# Altium PCB COOP4403_V2.PcbDoc
Units mm, origin at the board's own origin, x right, y up, seen from the top; angles counter-clockwise.
Board outline 69.29 x 53.3 mm, 4 copper layers (Top Layer, GND, POWER, Bottom Layer), stack 1.546 mm thick; 104 components, 83 nets, 364 pads, 113 vias.
Unrouted connection lines stored in the file: 1.
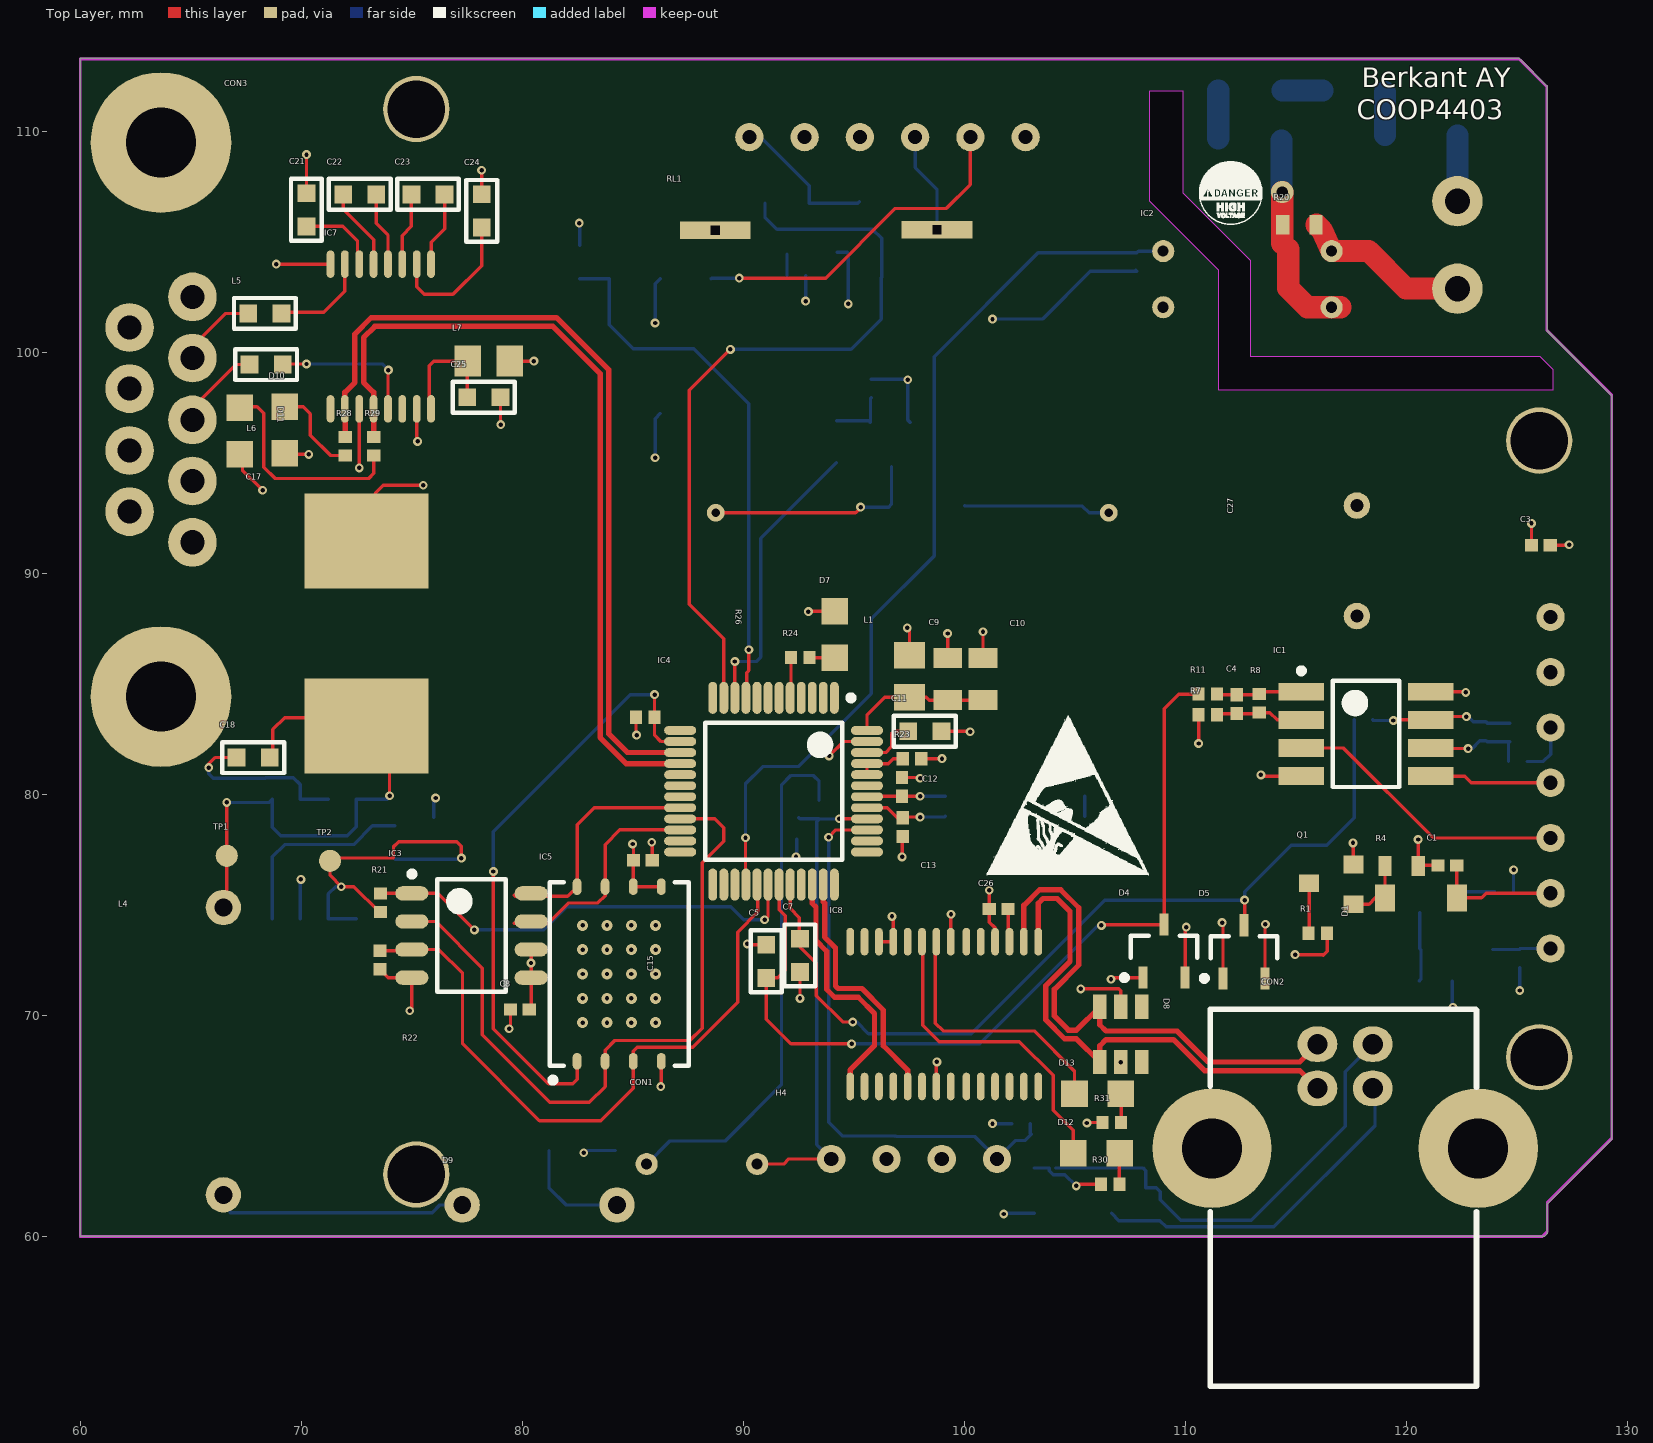
[diagram p0: Top Layer view]
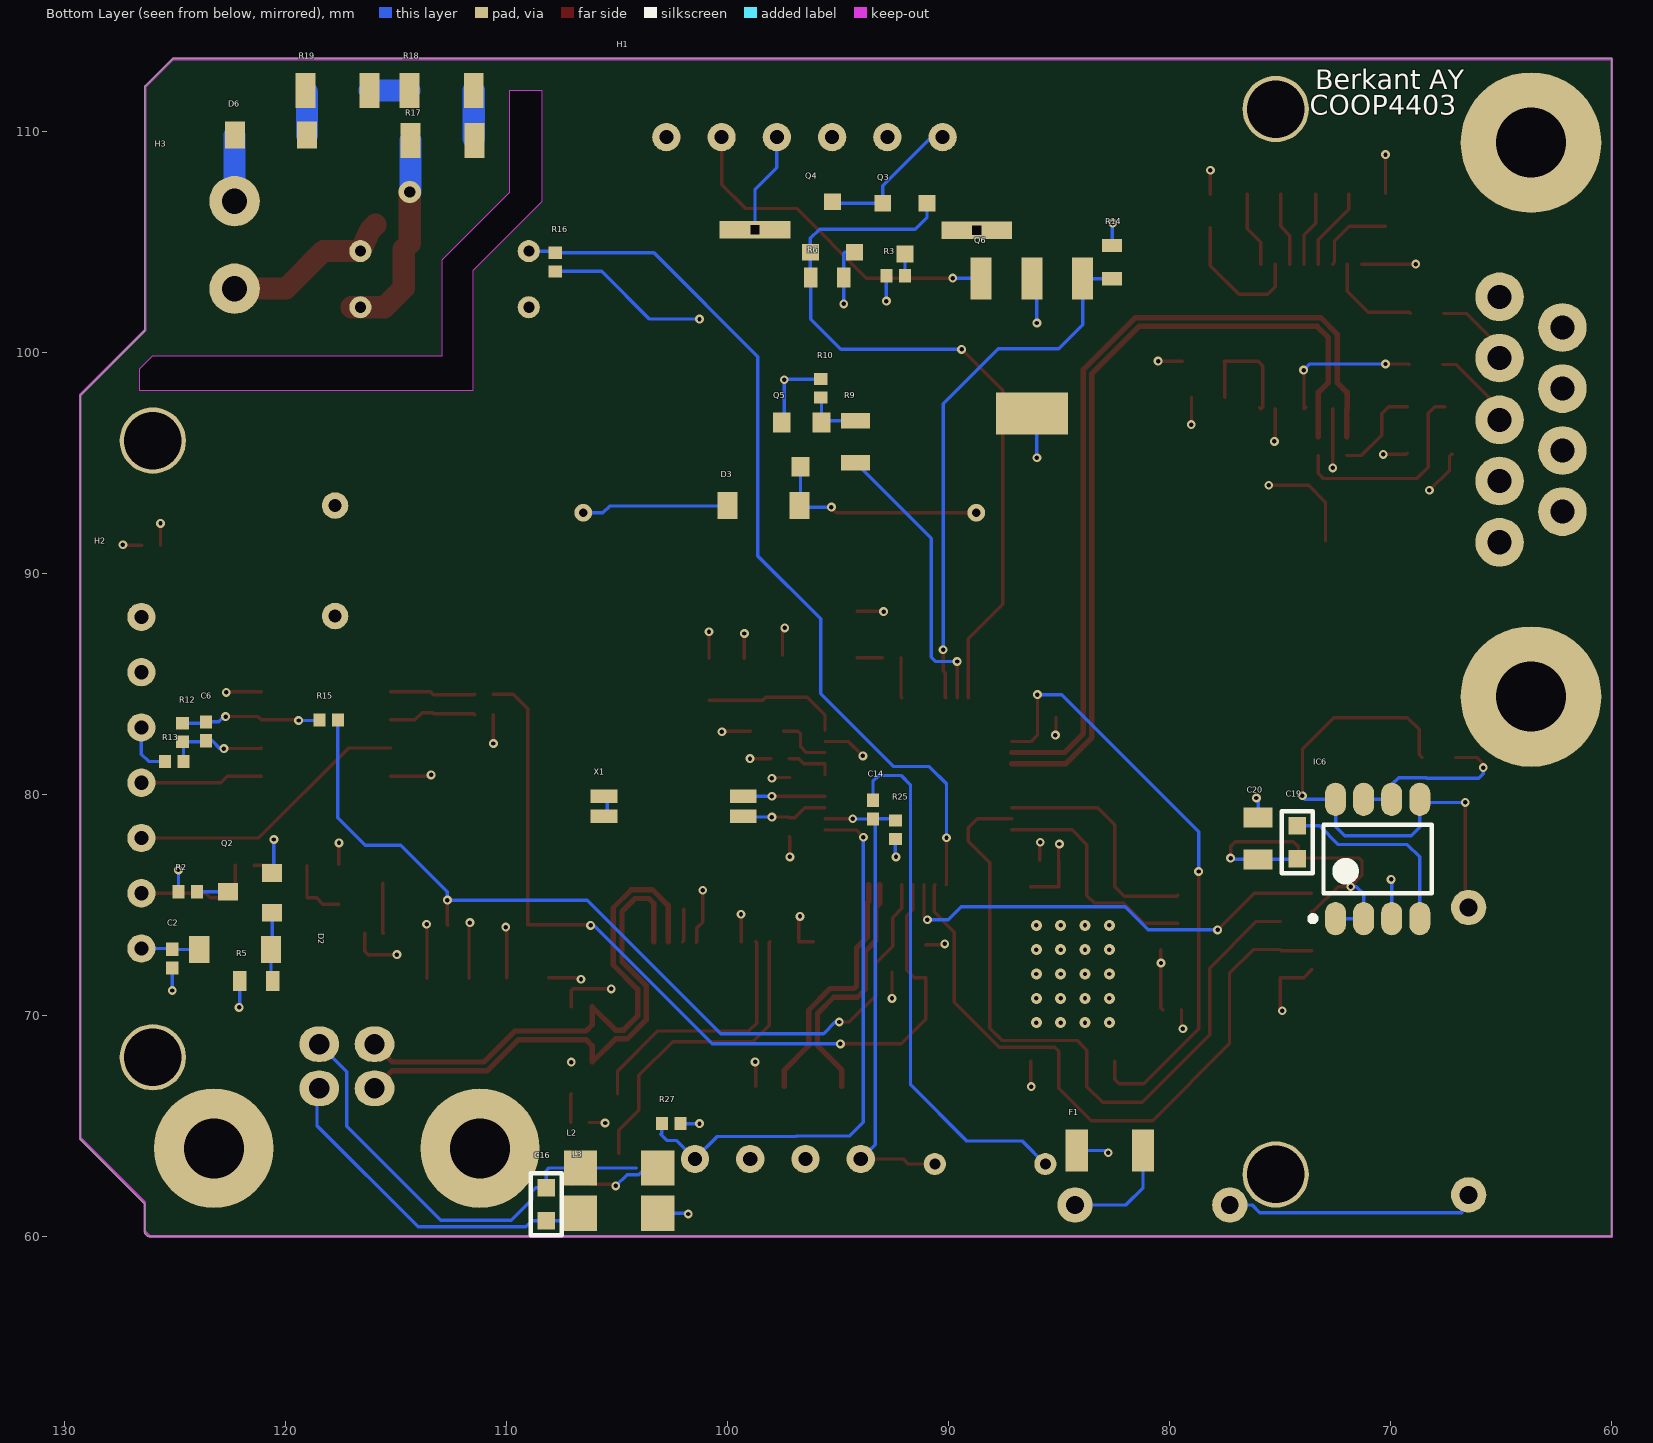
[diagram p1: Bottom Layer view, seen from below]
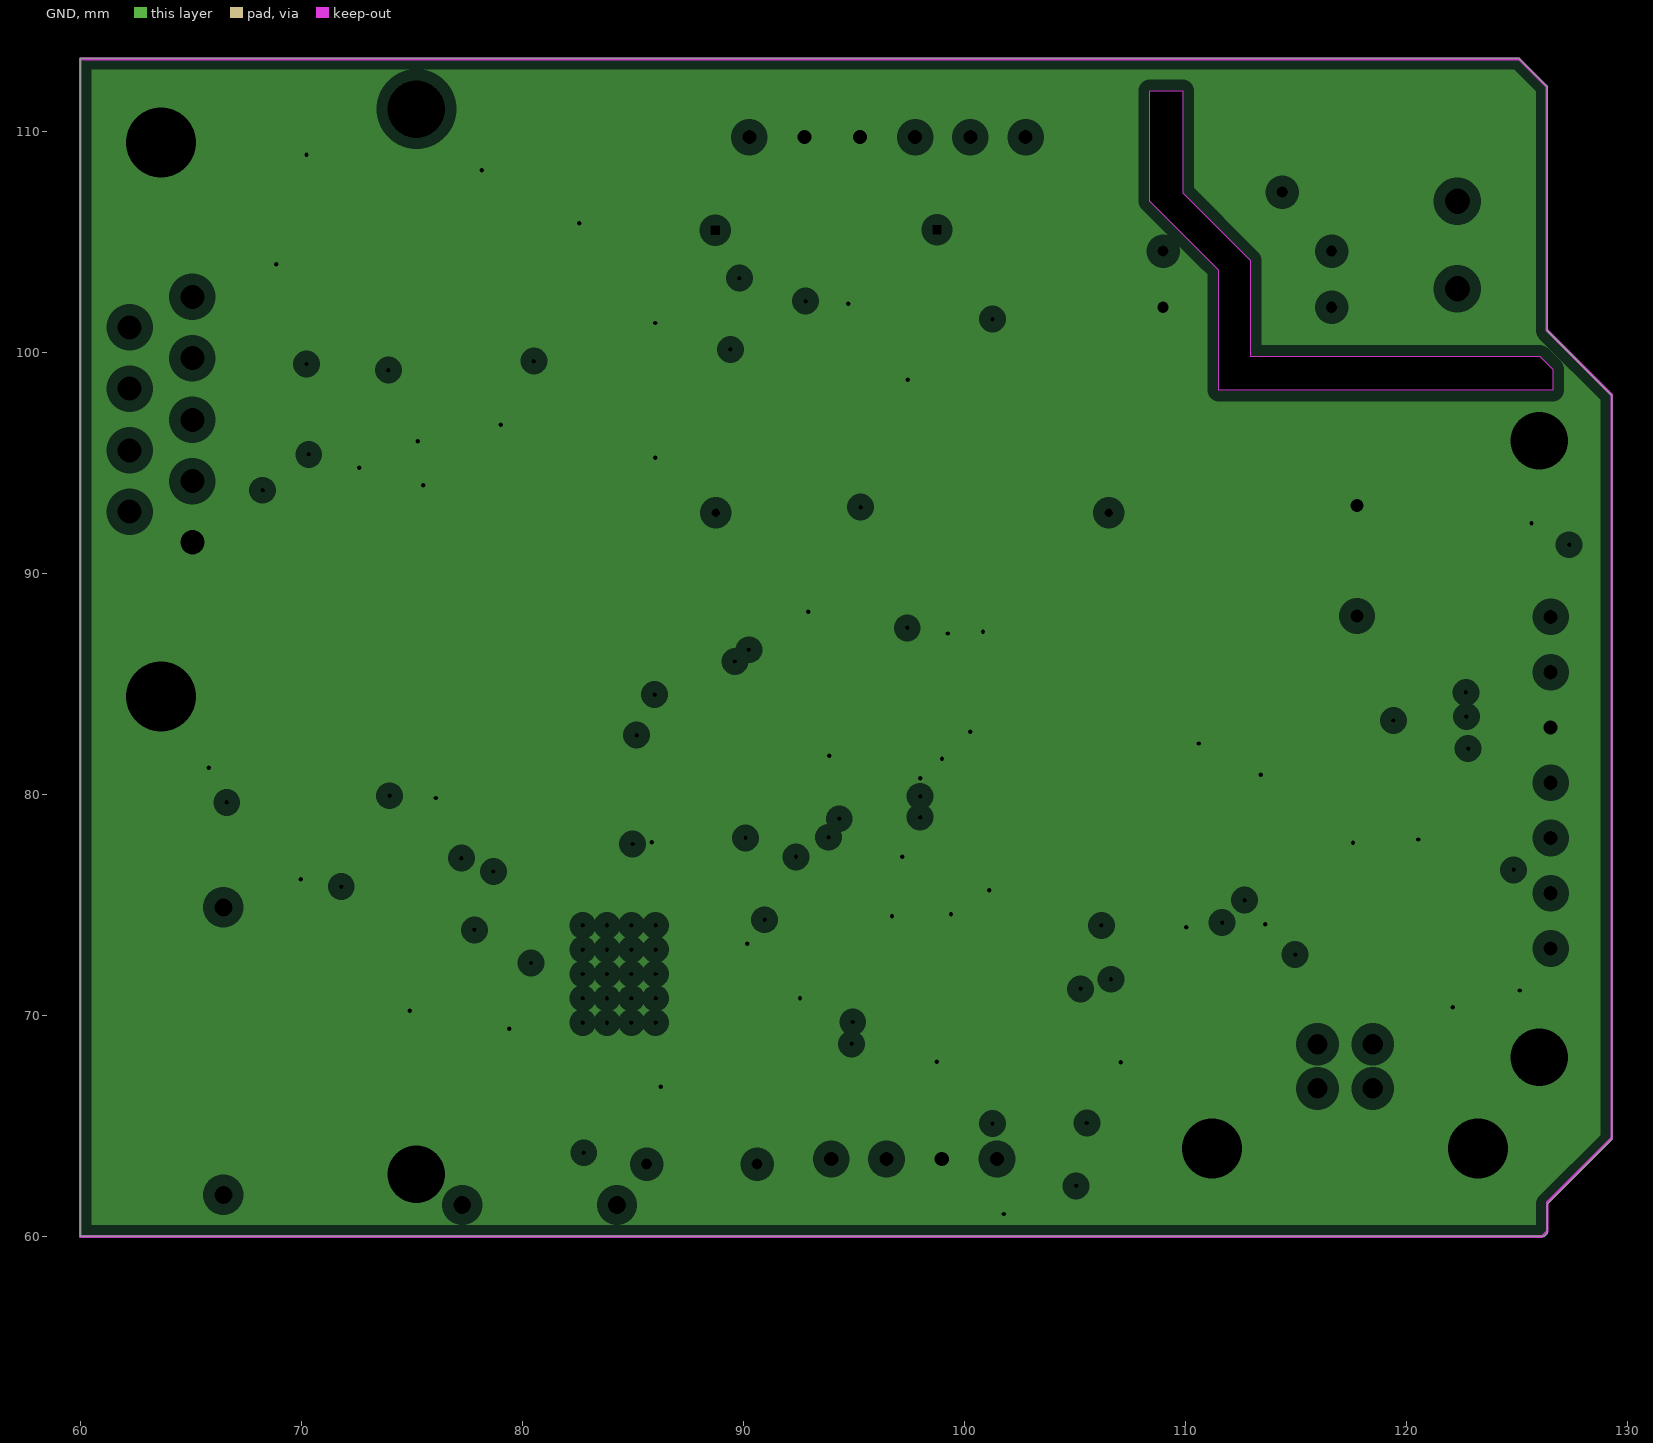
[diagram p2: GND, clearances drawn from the general rule]
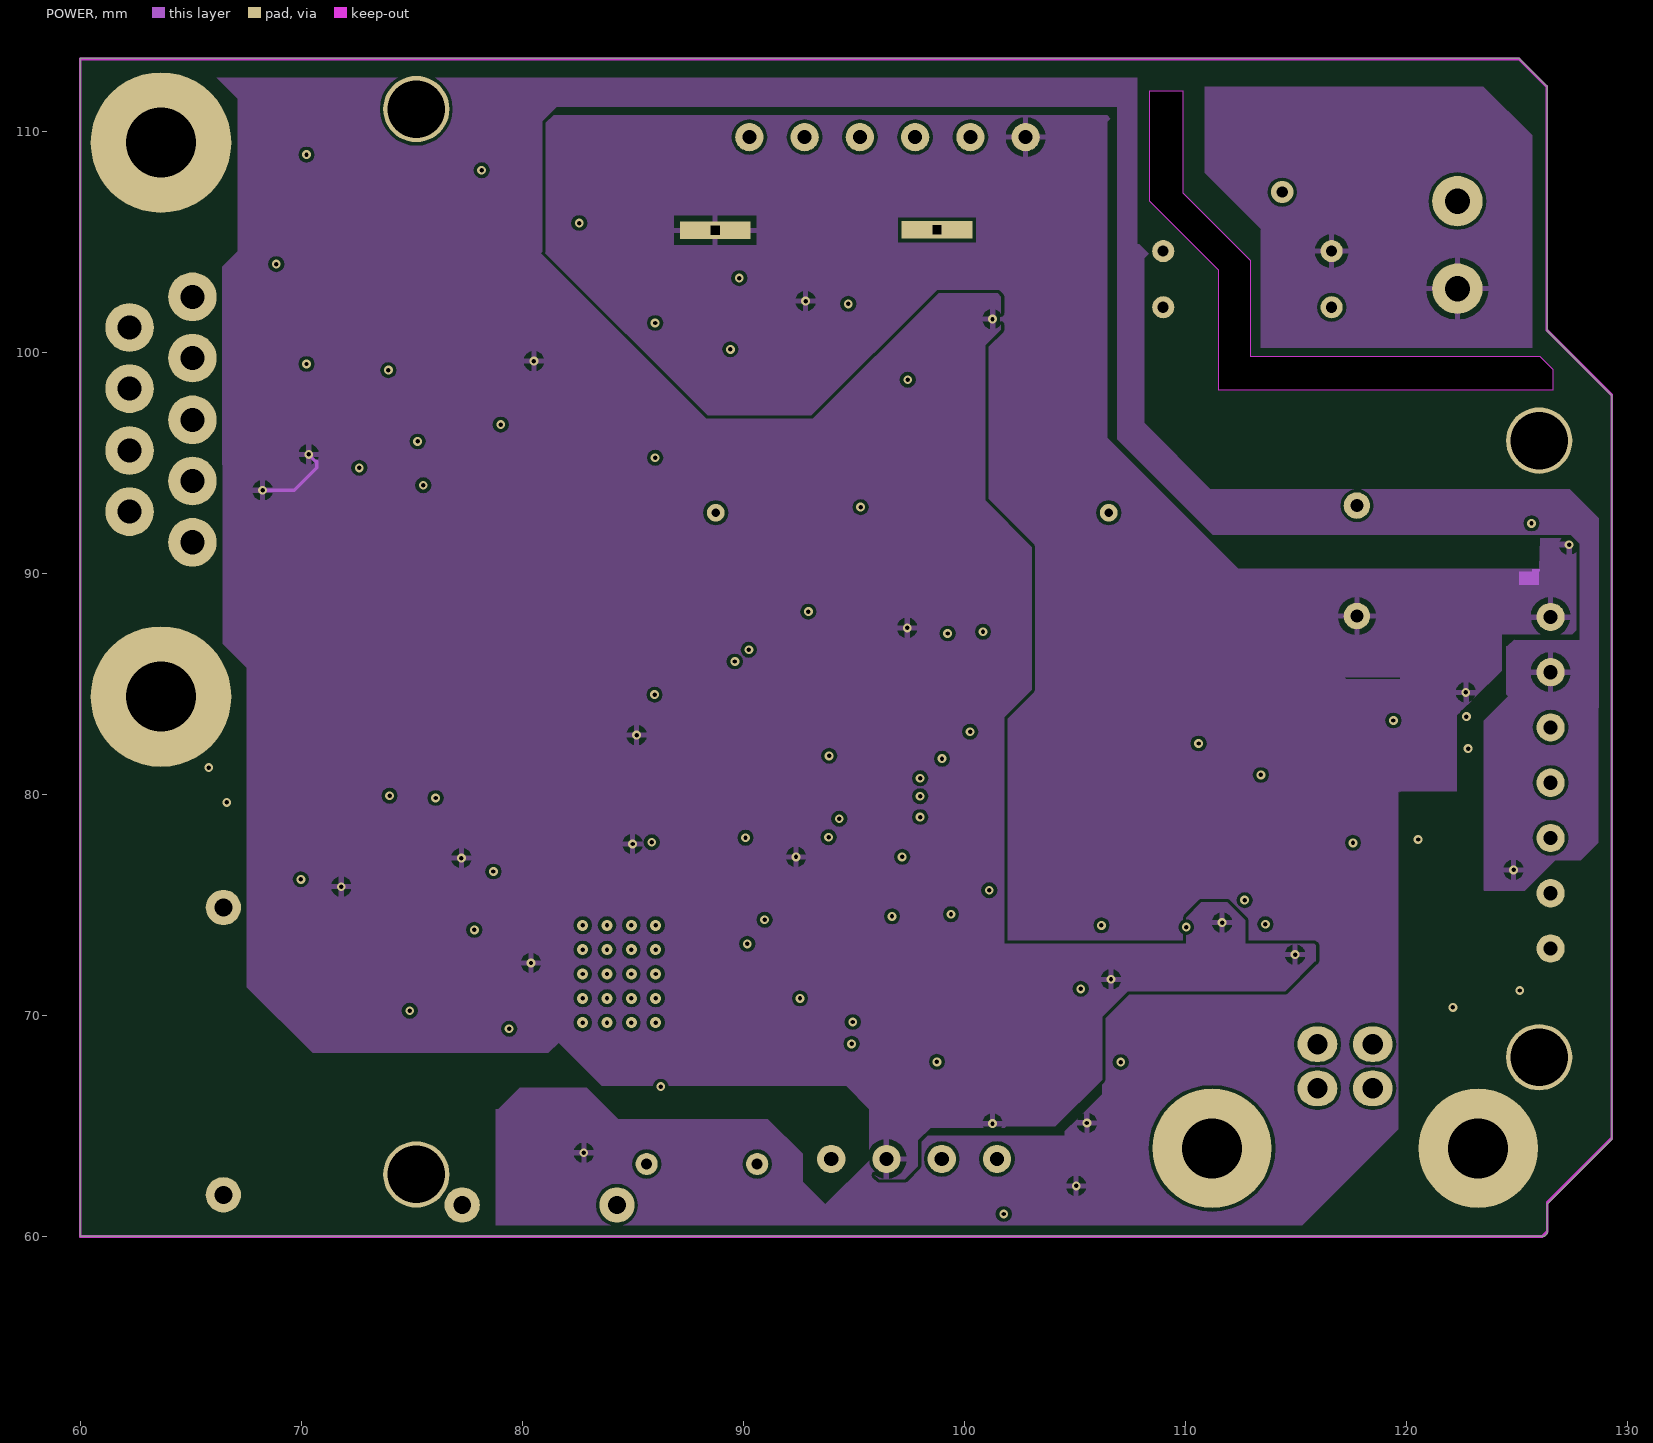
[diagram p3: POWER]

## Layer stack, top to bottom
Top Solder: solder mask 0.025, Solder Resist, Dk 3.5
Top Layer: signal copper 0.018
Prepreg: prepreg 0.22, Dk 4.2
GND: plane copper 0.035, net GND
Dielectric 4: prepreg 0.22, Dk 4.2
POWER: signal copper 0.035
Dielectric 3: core 1, FR-4, Dk 4.2
Bottom Layer: signal copper 0.018
Bottom Solder: solder mask 0.025, Solder Resist, Dk 3.5

## Board outline
60,60 60,113.3 125.095,113.3 125.095,113.284 126.365,112.014 126.365,100.965 129.286,98.044 129.286,64.389 126.365,61.468 126.365,60.127 126.238,60
cut-out: 109.88,111.836 109.88,107.213 112.928,104.165 112.928,99.822 126.035,99.822 126.619,99.238 126.619,98.273 111.506,98.273 111.506,103.708 110.846,104.369 108.382,106.832 108.382,111.836

## Design rules (kind name [scope] priority, off if disabled: settings)
Clearance [All] p1: gap=0.152 ignorepadtopadclearanceinfootprint=TRUE
DiffPairsRouting "Schematic Differential Pairs Routing_9" [InNet('USB_B_P')] p1: maxlimit=0.152 minlimit=0.152 mostfreqgap=0.152 toplayer_minwidth=0.241 toplayer_maxwidth=0.241 toplayer_prefwidth=0.241 midlayer1_minwidth=0.241 midlayer1_maxwidth=0.241 midlayer1_prefwidth=0.241 bottomlayer_minwidth=0.241 bottomlayer_maxwidth=0.241 bottomlayer_prefwidth=0.241 maxuncoupledlength=12.7
DiffPairsRouting "Schematic Differential Pairs Routing_8" [InNet('USB_B_N')] p2: maxlimit=0.152 minlimit=0.152 mostfreqgap=0.152 toplayer_minwidth=0.241 toplayer_maxwidth=0.241 toplayer_prefwidth=0.241 midlayer1_minwidth=0.241 midlayer1_maxwidth=0.241 midlayer1_prefwidth=0.241 bottomlayer_minwidth=0.241 bottomlayer_maxwidth=0.241 bottomlayer_prefwidth=0.241 maxuncoupledlength=12.7
DiffPairsRouting "Schematic Differential Pairs Routing_7" [InNet('RXD_A_N')] p3: maxlimit=0.152 minlimit=0.152 mostfreqgap=0.152 toplayer_minwidth=0.241 toplayer_maxwidth=0.241 toplayer_prefwidth=0.241 midlayer1_minwidth=0.241 midlayer1_maxwidth=0.241 midlayer1_prefwidth=0.241 bottomlayer_minwidth=0.241 bottomlayer_maxwidth=0.241 bottomlayer_prefwidth=0.241 maxuncoupledlength=12.7
DiffPairsRouting "Schematic Differential Pairs Routing_6" [InNet('RXD_A_P')] p4: maxlimit=0.152 minlimit=0.152 mostfreqgap=0.152 toplayer_minwidth=0.241 toplayer_maxwidth=0.241 toplayer_prefwidth=0.241 midlayer1_minwidth=0.241 midlayer1_maxwidth=0.241 midlayer1_prefwidth=0.241 bottomlayer_minwidth=0.241 bottomlayer_maxwidth=0.241 bottomlayer_prefwidth=0.241 maxuncoupledlength=12.7
DiffPairsRouting "Schematic Differential Pairs Routing_1" [InNet('USB_A_N')] p5: maxlimit=0.152 minlimit=0.152 mostfreqgap=0.152 toplayer_minwidth=0.241 toplayer_maxwidth=0.241 toplayer_prefwidth=0.241 midlayer1_minwidth=0.241 midlayer1_maxwidth=0.241 midlayer1_prefwidth=0.241 bottomlayer_minwidth=0.241 bottomlayer_maxwidth=0.241 bottomlayer_prefwidth=0.241 maxuncoupledlength=12.7
DiffPairsRouting "Schematic Differential Pairs Routing" [InNet('USB_A_P')] p6: maxlimit=0.152 minlimit=0.152 mostfreqgap=0.152 toplayer_minwidth=0.241 toplayer_maxwidth=0.241 toplayer_prefwidth=0.241 midlayer1_minwidth=0.241 midlayer1_maxwidth=0.241 midlayer1_prefwidth=0.241 bottomlayer_minwidth=0.241 bottomlayer_maxwidth=0.241 bottomlayer_prefwidth=0.241 maxuncoupledlength=12.7
DiffPairsRouting [All] p7: maxlimit=0.254 minlimit=0.254 mostfreqgap=0.254 toplayer_minwidth=0.381 toplayer_maxwidth=0.381 toplayer_prefwidth=0.381 midlayer1_minwidth=0.381 midlayer1_maxwidth=0.381 midlayer1_prefwidth=0.381 bottomlayer_minwidth=0.381 bottomlayer_maxwidth=0.381 bottomlayer_prefwidth=0.381 maxuncoupledlength=12.7
PlaneClearance [All] p1: clearance=0.508
PlaneConnect [All] p1: planeconnectstyle=Relief reliefexpansion=0.508 reliefentries=4 reliefconductorwidth=0.254 reliefairgap=0.254
PolygonConnect [All] p1: connectstyle=Relief reliefconductorwidth=0.254 reliefentries=4 polygonreliefangle="90 Angle" airgapwidth=0.254
RoutingVias [All] p1: holewidth=0.2 width=0.4 viastyle="Through Hole" minholewidth=0.2 minwidth=0.4 maxholewidth=1 maxwidth=2
SolderMaskExpansion [All] p1: expansion=0.102
Width [All] p1: maxlimit=5 minlimit=0.152 preferedwidth=0.152
27 further rules are at their usual default settings.

## Classes and differential pairs
component class U_COOP4403: C1 C2 C3 C4 C5 C6 C7 C27 D1 D2 D3 D4 D5 D6 H1 H2 H3 IC1 IC2 Q1 Q2 Q3 Q4 Q5 Q6 R1 R2 R3 R4 R5 R6 R7 R8 R9 R10 R11 R12 R13 R14 R15 R16 R17 R18 R19 R20 RL1
component class U_MCU: C8 C9 C10 C11 C12 C13 C14 C15 CON1 D7 H4 IC3 IC4 IC5 L1 R21 R22 R23 R24 R25 R26 R27 X1
component class U_REGULATOR: C16 C17 C18 C19 C20 D8 D9 F1 IC6 L2 L3 L4 TP1 TP2
component class U_SerialPort: C21 C22 C23 C24 C25 CON3 D10 D11 IC7 L5 L6 L7 R28 R29
component class U_USB_UART_BRIDGE: C26 D12 D13 IC8 R30 R31
differential pair USB_B: +USB_B_P -USB_B_N
differential pair RXD_A: +RXD_A_P -RXD_A_N
differential pair USB_A: +USB_A_P -USB_A_N

## Components (designator, comment, footprint, x,y, rotation, side; value= is the part's Value field where it differs from the comment)
C1 "C0402-0.027 UF 16V X7R" C0402 121.851,76.784 r0 top
C2 "C0402-0.027 UF 16V X7R" C0402 125.12,72.568 r90 bottom
C3 "C0402-220PF" C0402 126.079,91.262 r180 top
C4 "C0402-220PF" C0402 112.319,84.074 r270 top
C5 "C0603-100nF-50V" C0603 91.034,72.441 r270 top
C6 "C0402-220PF" C0402 123.596,82.848 r90 bottom
C7 "C0603-100nF-50V" C0603 92.558,72.708 r90 top
C8 "C0402 0.1uF" C0402 79.89,70.256 r0 top
C9 "C0805 10uF" C0805 99.238,85.207 r90 top
C10 "C0805 10uF" C0805 100.838,85.207 r90 top
C11 "C0603 1uF" C0603 98.21,82.855 r0 top
C12 "C0402 6pF" C0402 97.18,80.333 r270 top
C13 "C0402 6pF" C0402 97.206,78.511 r90 top
C14 "C0402 1000pF" C0402 93.421,79.306 r90 bottom
C15 "C0402 0.1uF" C0402 85.452,77.013 r0 top
C16 "C0603-100nF-50V" C0603 108.204,61.455 r90 bottom
C17 "ECAP-1000uF-16V-20%" CAP_SMT 73.025,87.325 r90 top
C18 "C0603 0.1uF" C0603 67.818,81.661 r0 top
C19 "C0603 10000pF" C0603 74.219,77.826 r90 bottom
C20 "C0805 10uF" C0805 75.997,78.003 r270 bottom
C21 "C0603 0.1uF" C0603 70.231,106.439 r270 top
C22 "C0603 0.1uF" C0603 72.644,107.137 r180 top
C23 "C0603 0.1uF" C0603 75.729,107.137 r180 top
C24 "C0603 0.1uF" C0603 78.156,106.389 r90 top
C25 "C0603 1uF" C0603 78.257,97.968 r180 top
C26 "C0402 0.1uF" C0402 101.549,74.803 r0 top
C27 "ALUM-CAP 100uF" ALUM-CAP 117.754,88.062 r90 top
CON1 "PushButton" PUSHBUTTON 90.623,63.271 r180 top
CON2 "" CON_670688000 111.201,63.983 r0 top
CON3 "DSUB" DSUB 62.23,92.785 r270 top
D1 "1N4007" sm4007 122.274,75.311 r180 top
D2 "1N4007" sm4007 123.901,72.974 r180 bottom
D3 "1N4007" sm4007 96.75,93.066 r0 bottom
D4 "TBAT54" SOT95P245X110-3N 109.032,74.098 r0 top
D5 "TBAT54" SOT95P245X110-3N 112.649,74.066 r0 top
D6 "1N4007" sm4007 122.276,109.83 r180 bottom
D7 "0805LED_RED" 0805LED_GREEN 94.132,88.282 r270 top
D8 "SRV05-4.TCT" SOT23 107.071,67.883 r90 top
D9 "1N4007" 1N4007 84.277,61.417 r180 top
D10 "0805_LED_GREEN" 0805LED_GREEN 69.24,97.536 r270 top
D11 "0805_LED_GREEN" 0805LED_GREEN 67.208,97.477 r270 top
D12 "0805_LED_GREEN" 0805LED_GREEN 104.927,63.754 r0 top
D13 "0805_LED_GREEN" 0805LED_GREEN 104.978,66.446 r0 top
F1 "OZCJ" OZCJ 81.201,63.881 r0 bottom
H1 "CONN HEADER 6PIN" "CON HEADER 6PIN" 90.268,109.728 r0 bottom
H2 "CONN HEADER 7PIN" "CON HEADER 7PIN" 126.517,73.022 r90 bottom
H3 "CONN HEADER 2PIN" "CON HEADER 2PIN" 122.301,106.832 r270 bottom
H4 "CONN HEADER 4PIN" "CON HEADER 4PIN" 101.473,63.5 r180 top
IC1 "LM358ADR2G" SOP127P700X380-8N 118.165,82.728 r0 top
IC2 "OPTOCOUPLER" "4DIP_OPTO - duplicate" 108.991,104.572 r0 top
IC3 "MB85RS64PVNF-G-JNERE1" TSOP127P600X155-8N 77.699,73.609 r0 top
IC4 "RENESAS MCU" TSQFP50P900X900X160-48N 91.364,80.137 r270 top
IC5 "M25P128-VME6TGB 8VDFPN" QFN127P800X600X85_HS-9N 84.379,71.869 r90 top
IC6 "LT1763" SOIC127P600X170-8N 70.587,77.071 r90 bottom
IC7 "SP3222E" SSOP16 75.869,103.984 r270 top
IC8 "FT232RL-REEL" SSOP28 98.766,0.841 r90 top
L1 "EXCMLA20A390U" L0805 97.511,84.384 r90 top
L2 "EXC-ML32A680U" L1608 106.655,63.094 r180 bottom
L3 "EXC-ML32A680U" L1608 106.655,61.036 r180 bottom
L4 "1110-470K-RC" "1110 Coil" 66.472,61.879 r90 top
L5 "BLM18PG121SN1" C0603 68.351,101.752 r0 top
L6 "BLM18PG121SN1" C0603 68.402,99.441 r0 top
L7 "EXCMLA20A390U" L0805 77.526,99.593 r0 top
Q1 "BC846ALT1" BC846ALT 117.595,75.021 r90 top
Q2 "BC846ALT1" BC846ALT 120.606,74.64 r90 bottom
Q3 "FDN352AP" FDN 90.973,106.735 r0 bottom
Q4 "FDN357N" FDN 96.25,104.517 r180 bottom
Q5 "BC846ALT1" BC846ALT 95.748,96.818 r0 bottom
Q6 "NDT3055L" realndt 83.933,103.327 r0 bottom
R1 "V=?" r0402 115.57,73.711 r0 top
R2 "V=?" r0402 124.003,75.59 r0 bottom
R3 "V=?" r0402 91.974,103.454 r0 bottom
R4 "V=?" R603 120.524,76.759 r180 top
R5 "V=?" R603 122.072,71.552 r180 bottom
R6 "V=?" R603 94.741,103.378 r0 bottom
R7 "V=?" r0402 111.43,83.591 r180 top
R8 "V=?" r0402 113.335,84.531 r270 top
R9 "R0805" R0805 94.209,95.001 r90 bottom
R10 "V=?" r0402 95.783,98.78 r270 bottom
R11 "V=?" r0402 110.592,84.531 r0 top
R12 "V=?" r0402 124.663,83.21 r270 bottom
R13 "V=?" r0402 125.45,81.483 r180 bottom
R14 "V=?" R603 82.601,103.326 r90 bottom
R15 "V=?" r0402 117.628,83.363 r0 bottom
R16 "V=?" r0402 107.798,104.496 r270 bottom
R17 "V=?" R1206 114.351,109.576 r180 bottom
R18 "V=?" R1206 111.481,111.836 r0 bottom
R19 "V=?" R1206 116.201,111.836 r0 bottom
R20 "V=?" R603 115.9,105.766 r180 top
R21 "V=?" r0402 73.584,75.514 r270 top
R22 "V=?" r0402 73.558,72.085 r90 top
R23 "V=?" r0402 97.206,81.61 r0 top
R24 "V=?" r0402 92.989,86.182 r180 top
R25 "V=?" r0402 92.405,78.816 r270 bottom
R26 "V=?" r0402 85.979,83.49 r180 top
R27 "V=?" r0402 102.134,65.1 r0 bottom
R28 "V=?" r0402 71.984,95.326 r90 top
R29 "V=?" r0402 73.279,95.326 r90 top
R30 "V=?" r0402 107.01,62.357 r180 top
R31 "V=?" r0402 107.086,65.151 r180 top
RL1 "G5CA-1A DC5" "RELAY OMRON" 106.528,92.735 r180 top
TP1 "TestPoint" TestPoint 66.624,77.216 r90 top
TP2 "TestPoint" TestPoint 71.298,76.987 r90 top
X1 "XTAL" XTAL 99.289,79.008 r0 bottom
